# Altium PCB Main .PcbDoc (part 1 of 2)
Units mm, origin at the board's own origin, x right, y up, seen from the top; angles counter-clockwise.
Board outline 305 x 130 mm, 2 copper layers (Top Layer, Bottom Layer), stack 1.572 mm thick; 223 components, 123 nets, 632 pads, 180 vias.
Unrouted connection lines stored in the file: 1.
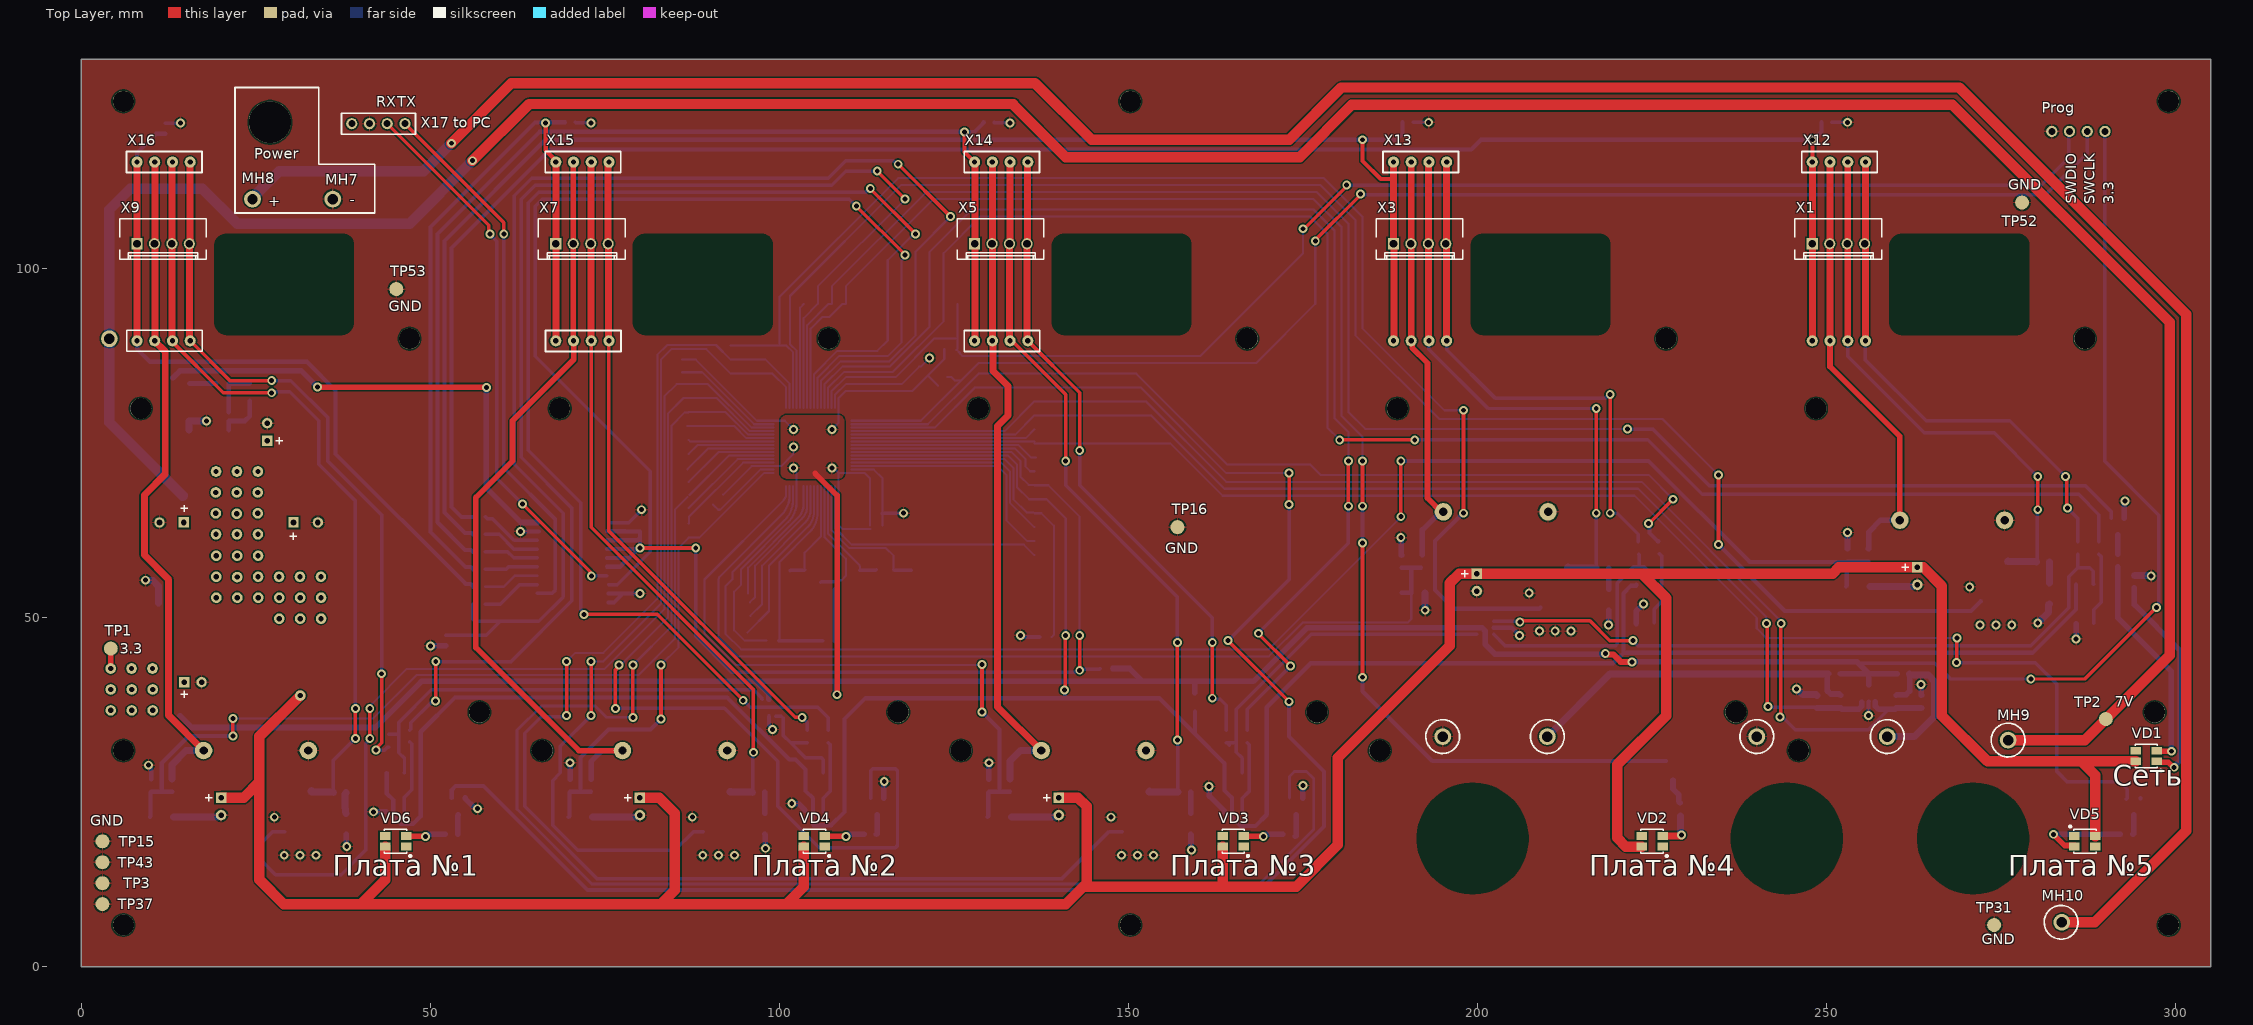
[diagram p0: Top Layer view]
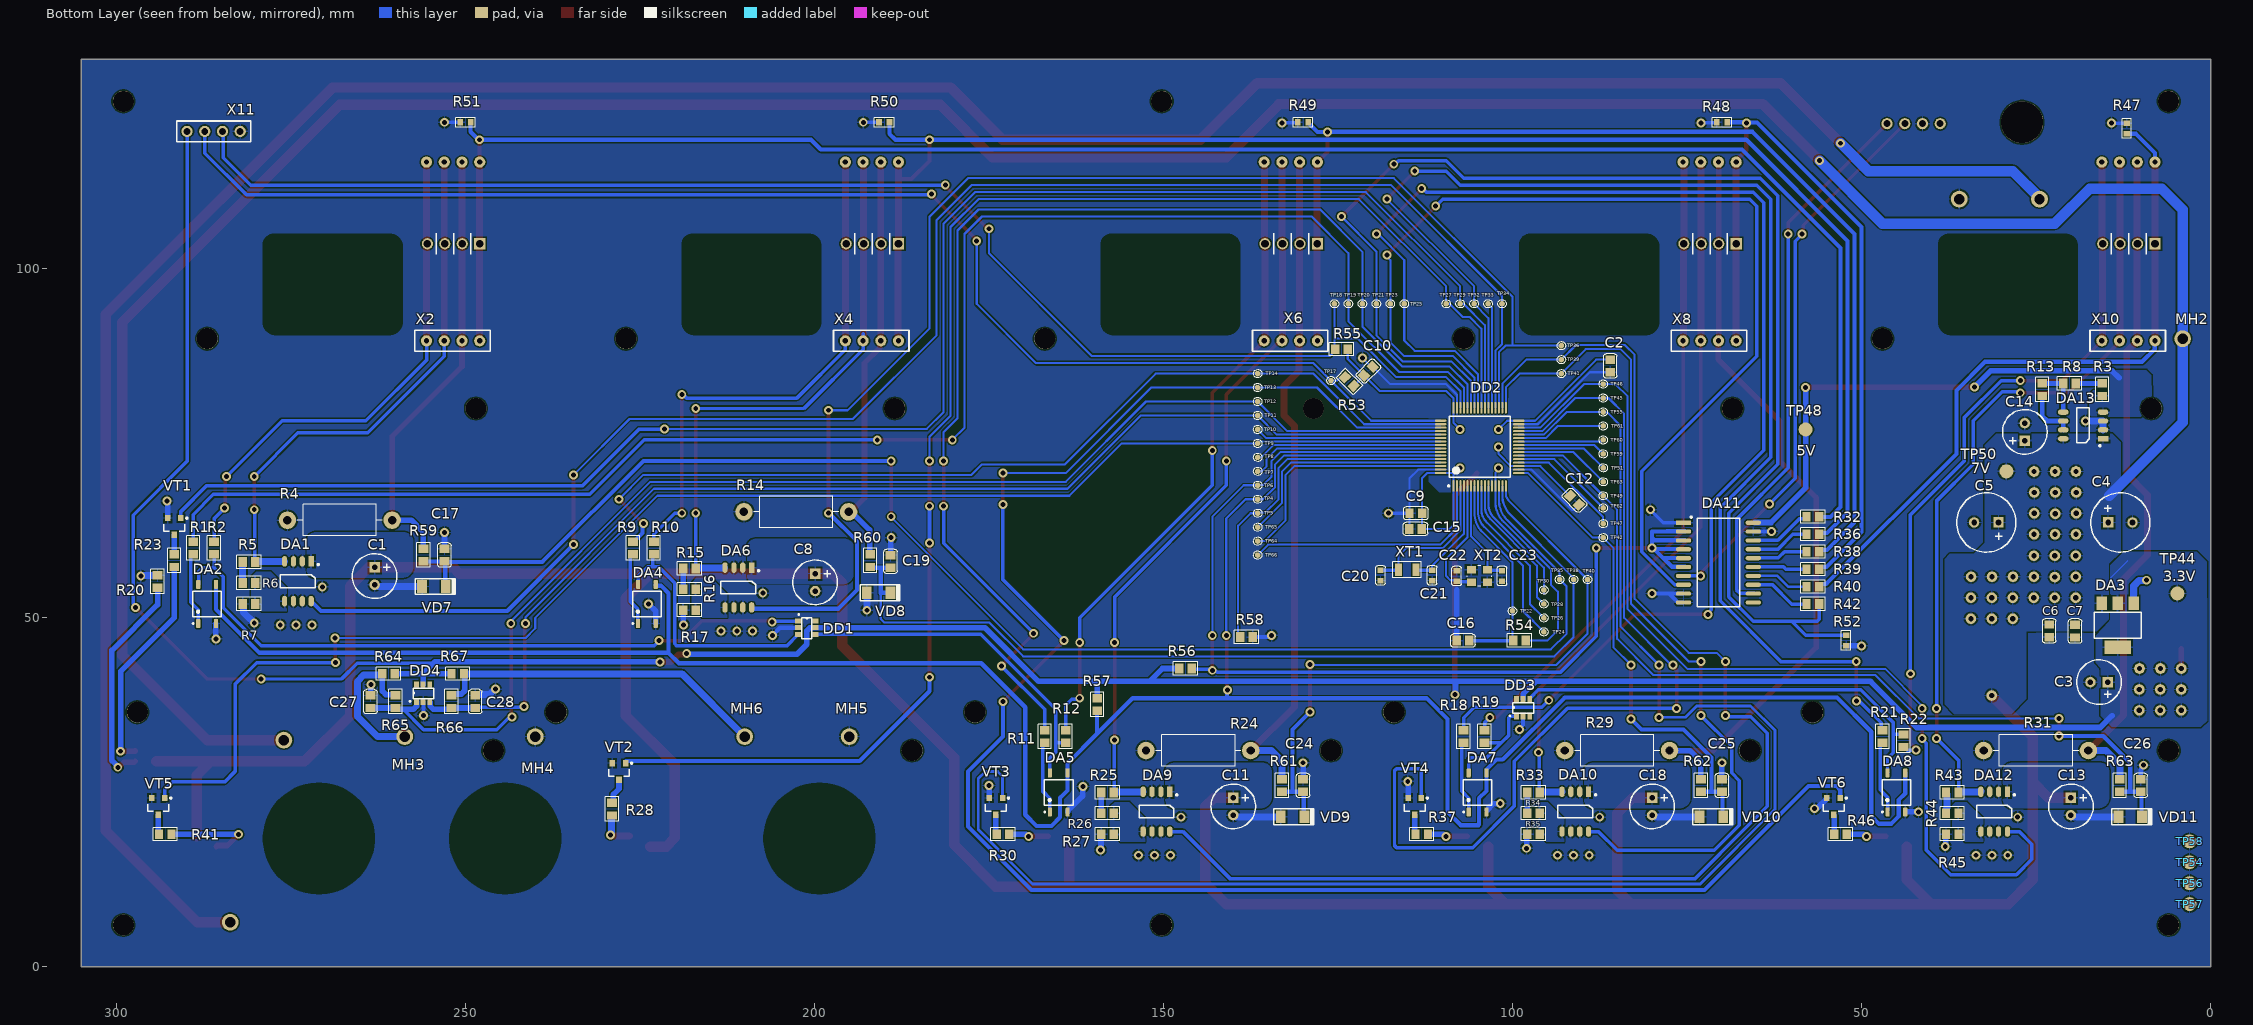
[diagram p1: Bottom Layer view, seen from below]
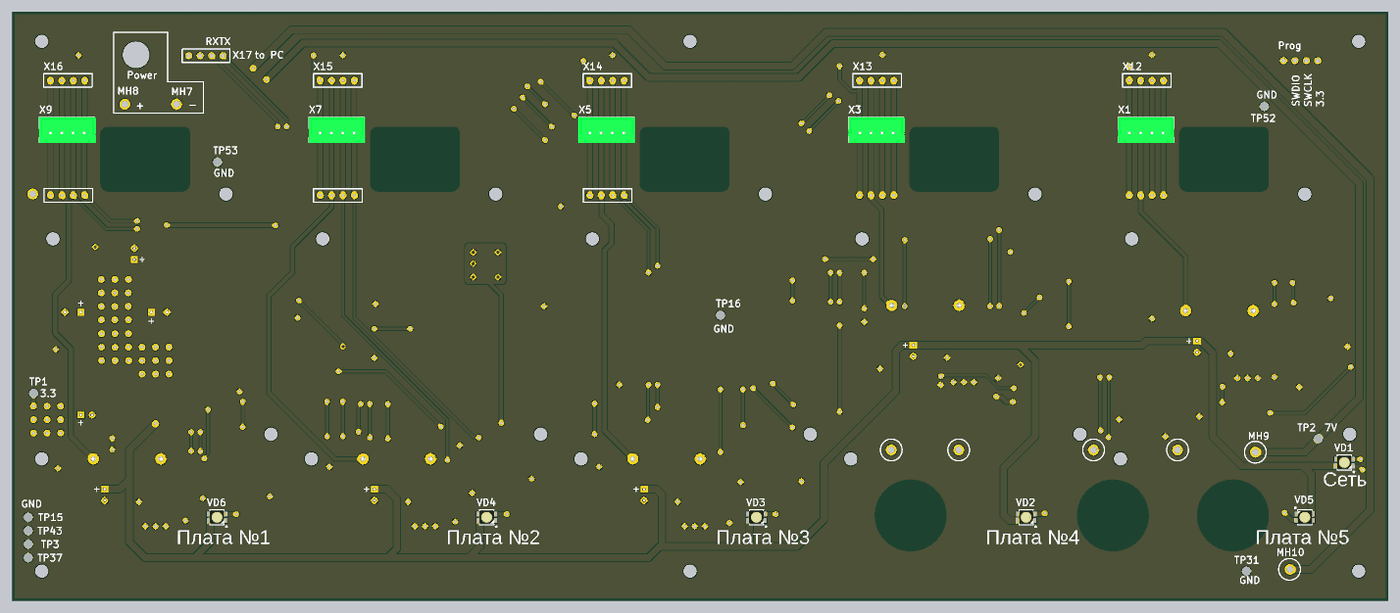
[diagram p3: 3D render of the assembled board from above, using the file's embedded part models]
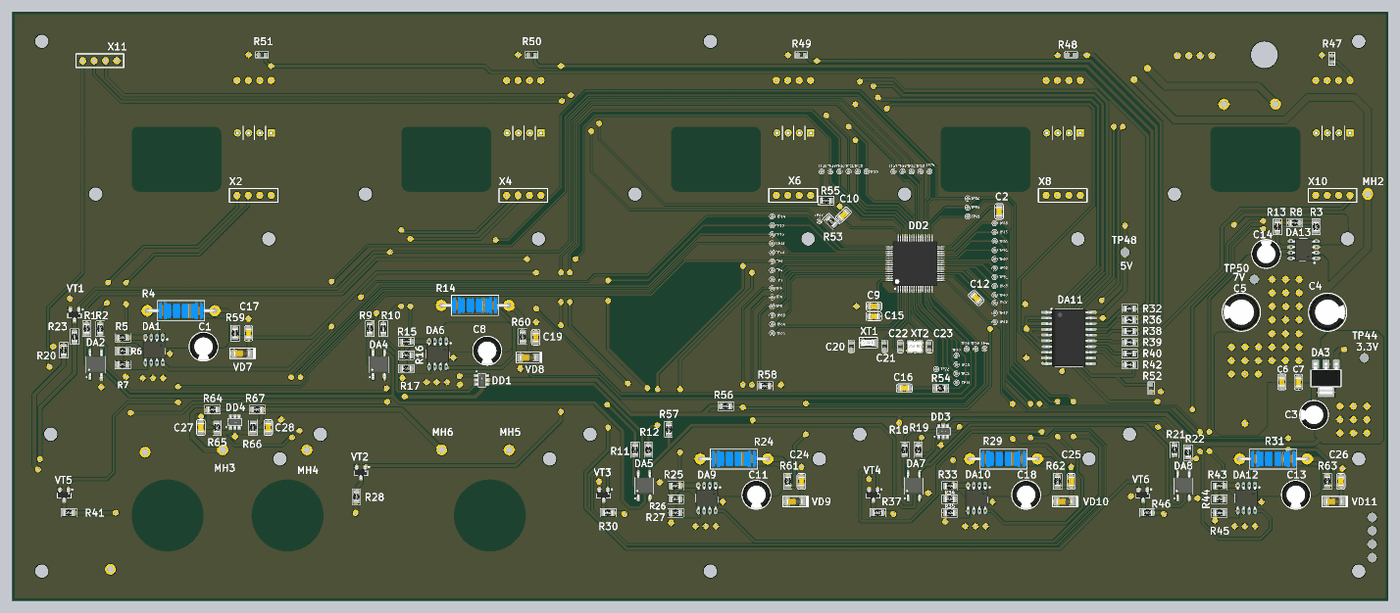
[diagram p4: 3D render of the assembled board from below, using the file's embedded part models]

## Layer stack, top to bottom
Top Solder: solder mask 0.01, Solder Resist, Dk 3.5
Top Layer: signal copper 0.036
Dielectric 1: dielectric 1.5, FR-4, Dk 4.8
Bottom Layer: signal copper 0.036
Bottom Solder: solder mask 0.01, Solder Resist, Dk 3.5

## Board outline
0,0 305,0 305,130 0,130

## Design rules (kind name [scope] priority, off if disabled: settings)
Clearance [All] p1: gap=0.2 ignorepadtopadclearanceinfootprint=FALSE except(0: Arc-Hole Track-Hole SMDPad-Hole THPad-Hole Via-Hole Fill-Hole Poly-Hole Region-Hole Text-Hole)
PolygonConnect [All] p1: connectstyle=Relief reliefconductorwidth=0.254 reliefentries=4 polygonreliefangle="90 Angle" airgapwidth=0.254
RoutingVias [All] p1: holewidth=0.711 width=1.27 viastyle="Through Hole" minholewidth=0.711 minwidth=1.27 maxholewidth=0.711 maxwidth=1.27
SolderMaskExpansion [All] p1: expansion=0.102 istentingtop=FALSE
Width [All] p1: maxlimit=5 minlimit=0.2 preferedwidth=0.5
30 further rules are at their usual default settings.

## Components (designator, comment, footprint, x,y, rotation, side; value= is the part's Value field where it differs from the comment)
C1 "Capacitor Polar" CAP_RADIAL_6.3x11 263,56 r0 bottom value=100uF
C2 "" SMD_0805_CAP 85.998,85.098 r90 bottom value=1uF
C3 "Capacitor Polar" CAP_RADIAL_6.3x11 15.95,40.8 r90 bottom value=100uF
C4 "Capacitor Polar" CAP_RADIAL_8x11.5 12.925,63.675 r180 bottom value=220uF
C5 "Capacitor Polar" CAP_RADIAL_8x11.5 32.125,63.675 r0 bottom value=220uF
C6 "" SMD_0805_CAP 23.098,47.148 r90 bottom value=1uF
C7 "" SMD_0805_CAP 19.398,47.098 r90 bottom value=1uF
C8 "Capacitor Polar" CAP_RADIAL_6.3x11 199.9,55.1 r0 bottom value=100uF
C9 "" SMD_0805_CAP 114.852,64.998 r180 bottom value=1uF
C10 "Capacitor" SMD_0805_CAP 119.929,86.073 r315 bottom value=100nF
C11 "Capacitor Polar" CAP_RADIAL_6.3x11 140,23 r0 bottom value=100uF
C12 "Capacitor" SMD_0805_CAP 90.404,66.156 r45 bottom value=100nF
C13 "Capacitor Polar" CAP_RADIAL_6.3x11 20,23 r0 bottom value=100uF
C14 "Capacitor Polar" CAP_RADIAL_6.3x11 26.6,76.65 r180 bottom value=100uF
C15 "Capacitor" SMD_0805_CAP 114.902,62.748 r180 bottom value=100nF
C16 "Capacitor" SMD_0805_CAP 108.102,46.748 r180 bottom value=100nF
C17 "Capacitor" SMD_0805_CAP 253,60 r270 bottom value=100nF
C18 "Capacitor Polar" CAP_RADIAL_6.3x11 80,23 r0 bottom value=100uF
C19 "Capacitor" SMD_0805_CAP 189.102,59.102 r270 bottom value=100nF
C20 "Capacitor" SMD_0603_CAP 118.9,56.1 r270 bottom value=10pF
C21 "Capacitor" SMD_0603_CAP 111.5,56.1 r270 bottom value=10pF
C22 "Capacitor" SMD_0603_CAP 108,56 r90 bottom value=10pF
C23 "Capacitor" SMD_0603_CAP 101.5,56 r270 bottom value=10pF
C24 "Capacitor" SMD_0805_CAP 130,27 r270 bottom value=100nF
C25 "Capacitor" SMD_0805_CAP 70,27 r270 bottom value=100nF
C26 "Capacitor" SMD_0805_CAP 10,27 r270 bottom value=100nF
C27 "Capacitor" SMD_0805_CAP 263.602,39.002 r270 bottom value=100nF
C28 "Capacitor" SMD_0805_CAP 248.598,36.998 r90 bottom value=100nF
DA1 "NCP5500DADJR2G" SOIC-8 274,55.25 r270 bottom
DA2 "CPC1035NTR" SOIC-4 287,52 r90 bottom
DA3 "LM1117MPX" SOT223 13.3,48.95 r0 bottom value=LM1117MPX-33
DA4 "CPC1035NTR" SOIC-4 224,52 r90 bottom
DA5 "CPC1035NTR" SOIC-4 165,25 r90 bottom
DA6 "NCP5500DADJR2G" SOIC-8 210.9,54.35 r270 bottom
DA7 "CPC1035NTR" SOIC-4 105,25 r90 bottom
DA8 "CPC1035NTR" SOIC-4 45,25 r90 bottom
DA9 "NCP5500DADJR2G" SOIC-8 151,22.25 r270 bottom
DA10 "NCP5500DADJR2G" SOIC-8 91,22.25 r270 bottom
DA11 "74HC540" SOIC-20W 75.5,63.64 r180 bottom
DA12 "NCP5500DADJR2G" SOIC-8 31,22.25 r270 bottom
DA13 "NCP5500DADJR2G" SOIC-8 18.25,77.575 r0 bottom
DD1 "CM1293A-04SO" SC-74-6 202.3,49.55 r180 bottom
DD2 "STM32F103RBT6" LQFP64 104.7,74.5 r90 bottom
DD3 "CM1293A-04SO" SC-74-6 99.425,35.925 r90 bottom
DD4 "CM1293A-04SO" SC-74-6 257,38 r90 bottom
MH2 "MouthingHole" MH_D1.5_H2.4 4,90 r180 bottom value=CANE1440-4000050PA
MH3 "MouthingHole" MH_D1.5_H2.4 258.7,33 r180 bottom value=CANE1440-4000050PA
MH4 "MouthingHole" MH_D1.5_H2.4 240,33 r180 bottom value=CANE1440-4000050PA
MH5 "MouthingHole" MH_D1.5_H2.4 195,33 r180 bottom value=CANE1440-4000050PA
MH6 "MouthingHole" MH_D1.5_H2.4 210,33 r180 bottom value=CANE1440-4000050PA
MH7 "MouthingHole" MH_D1.5_H2.4 36,110 r0 top value=CANE1440-4000050PA
MH8 "MouthingHole" MH_D1.5_H2.4 24.5,110 r0 top value=CANE1440-4000050PA
MH9 "MouthingHole" MH_D1.5_H2.4 276,32.5 r0 top value=CANE1440-4000050PA
MH10 "MouthingHole" MH_D1.5_H2.4 283.7,6.4 r90 top value=CANE1440-4000050PA
R1 "Resistor" SMD_0805_RES 289,61 r270 bottom value=330R
R2 "Resistor" SMD_0805_RES 286,59 r90 bottom value=510R
R3 "Resistor" SMD_0805_RES 15.498,81.698 r90 bottom value=2,71K
R4 "Resistor" RES_1W_HOR 268,64 r180 bottom value=1
R5 "Resistor" SMD_0805_RES 280,58 r0 bottom value=2,71K
R6 "Resistor" SMD_0805_RES 282,55 r180 bottom value=1K
R7 "Resistor" SMD_0805_RES 280,52 r0 bottom value=1,2K
R8 "Resistor" SMD_0805_RES 19.198,83.602 r0 bottom value=1K
R9 "Resistor" SMD_0805_RES 226,61 r270 bottom value=330R
R10 "Resistor" SMD_0805_RES 223,59 r90 bottom value=510R
R11 "Resistor" SMD_0805_RES 167,34 r270 bottom value=330R
R12 "Resistor" SMD_0805_RES 164,32 r90 bottom value=510R
R13 "Resistor" SMD_0805_RES 24.102,83.702 r270 bottom value=1,2K
R14 "Resistor" RES_1W_HOR 202.6,65.2 r180 bottom value=1
R15 "Resistor" SMD_0805_RES 216.9,57.1 r0 bottom value=2,71K
R16 "Resistor" SMD_0805_RES 218.9,54.1 r180 bottom value=1K
R17 "Resistor" SMD_0805_RES 216.9,51.1 r0 bottom value=1,2K
R18 "Resistor" SMD_0805_RES 107,34 r270 bottom value=330R
R19 "Resistor" SMD_0805_RES 104,32 r90 bottom value=510R
R20 "Resistor" SMD_0805_RES 294.102,56.202 r270 bottom value=4,7K
R21 "Resistor" SMD_0805_RES 47,34 r270 bottom value=330R
R22 "Resistor" SMD_0805_RES 44.002,33.402 r270 bottom value=510R
R23 "Resistor" SMD_0805_RES 291.702,59.202 r270 bottom value=2K
R24 "Resistor" RES_1W_HOR 145,31 r180 bottom value=1
R25 "Resistor" SMD_0805_RES 157,25 r0 bottom value=2,71K
R26 "Resistor" SMD_0805_RES 159,22 r180 bottom value=1K
R27 "Resistor" SMD_0805_RES 157,19 r0 bottom value=1,2K
R28 "Resistor" SMD_0805_RES 229.002,23.602 r270 bottom value=2K
R29 "Resistor" RES_1W_HOR 85,31 r180 bottom value=1
R30 "Resistor" SMD_0805_RES 174,19 r180 bottom value=2K
R31 "Resistor" RES_1W_HOR 25,31 r180 bottom value=1
R32 "Resistor" SMD_0805_RES 57.975,64.475 r180 bottom value=2K
R33 "Resistor" SMD_0805_RES 96,25 r0 bottom value=2,71K
R34 "Resistor" SMD_0805_RES 98,22 r180 bottom value=1K
R35 "Resistor" SMD_0805_RES 96,19 r0 bottom value=1,2K
R36 "Resistor" SMD_0805_RES 57.975,61.975 r180 bottom value=2K
R37 "Resistor" SMD_0805_RES 114,19 r180 bottom value=2K
R38 "Resistor" SMD_0805_RES 57.975,59.475 r180 bottom value=2K
R39 "Resistor" SMD_0805_RES 57.975,56.975 r180 bottom value=2K
R40 "Resistor" SMD_0805_RES 57.975,54.475 r180 bottom value=2K
R41 "Resistor" SMD_0805_RES 294,19 r180 bottom value=2K
R42 "Resistor" SMD_0805_RES 57.975,51.975 r180 bottom value=2K
R43 "Resistor" SMD_0805_RES 36,25 r0 bottom value=2,71K
R44 "Resistor" SMD_0805_RES 38,22 r180 bottom value=1K
R45 "Resistor" SMD_0805_RES 36,19 r0 bottom value=1,2K
R46 "Resistor" SMD_0805_RES 54,19 r180 bottom value=2K
R47 "Resistor" SMD_0603_RES 12,120.1 r90 bottom value=3,3K
R48 "Resistor" SMD_0603_RES 70,121 r0 bottom value=3,3K
R49 "Resistor" SMD_0603_RES 130,121 r0 bottom value=3,3K
R50 "Resistor" SMD_0603_RES 190,121 r0 bottom value=3,3K
R51 "Resistor" SMD_0603_RES 250,121 r0 bottom value=3,3K
R52 "Resistor" SMD_0603_RES 52.2,46.75 r270 bottom value=3,3K
R53 "Resistor" SMD_0805_RES 124.073,84.571 r225 bottom value=8,2K
R54 "Resistor" SMD_0805_RES 100,46.75 r180 bottom value=8,2K
R55 "Resistor" SMD_0805_RES 125.5,88.5 r180 bottom value=8,2K
R56 "Resistor" SMD_0805_RES 145.848,42.752 r0 bottom value=4,7K
R57 "Resistor" SMD_0805_RES 159.498,36.598 r90 bottom value=4,7K
R58 "Resistor" SMD_0805_RES 139.102,47.248 r180 bottom value=10K
R59 "Resistor" SMD_0805_RES 256,58 r90 bottom value=1K
R60 "Resistor" SMD_0805_RES 191.998,57.198 r90 bottom value=1K
R61 "Resistor" SMD_0805_RES 133,25 r90 bottom value=1K
R62 "Resistor" SMD_0805_RES 73,25 r90 bottom value=1K
R63 "Resistor" SMD_0805_RES 13,25 r90 bottom value=1K
R64 "Resistor" SMD_0805_RES 260,42 r0 bottom value=4,7K
R65 "Resistor" SMD_0805_RES 260,37 r90 bottom value=1K
R66 "Resistor" SMD_0805_RES 252,37 r90 bottom value=1K
R67 "Resistor" SMD_0805_RES 252.1,42 r180 bottom value=4,7K
TP1 "TestPoint" Pointtest 4.2,45.6 r0 top
TP2 "TestPoint" Pointtest 290,35.5 r0 top
TP3 "TestPoint" Pointtest 3,12 r0 top
TP4 "TestPoint" TP_SMD_D_0.8MM 136.5,67 r90 bottom
TP5 "TestPoint" TP_SMD_D_0.8MM 136.5,65 r90 bottom
TP6 "TestPoint" TP_SMD_D_0.8MM 136.5,69 r90 bottom
TP7 "TestPoint" TP_SMD_D_0.8MM 136.5,71 r90 bottom
TP8 "TestPoint" TP_SMD_D_0.8MM 136.5,73 r90 bottom
TP9 "TestPoint" TP_SMD_D_0.8MM 136.5,75 r90 bottom
TP10 "TestPoint" TP_SMD_D_0.8MM 136.5,77 r90 bottom
TP11 "TestPoint" TP_SMD_D_0.8MM 136.5,79 r90 bottom
TP12 "TestPoint" TP_SMD_D_0.8MM 136.5,81 r90 bottom
TP13 "TestPoint" TP_SMD_D_0.8MM 136.5,83 r90 bottom
TP14 "TestPoint" TP_SMD_D_0.8MM 136.5,85 r90 bottom
TP15 "TestPoint" Pointtest 3,18 r90 top
TP16 "TestPoint" Pointtest 157,63 r90 top
TP17 "TestPoint" TP_SMD_D_0.8MM 126,84 r90 bottom
TP18 "TestPoint" TP_SMD_D_0.8MM 125.5,95 r90 bottom
TP19 "TestPoint" TP_SMD_D_0.8MM 123.5,95 r90 bottom
TP20 "TestPoint" TP_SMD_D_0.8MM 121.5,95 r90 bottom
TP21 "TestPoint" TP_SMD_D_0.8MM 119.5,95 r90 bottom
TP22 "TestPoint" TP_SMD_D_0.8MM 100,51 r90 bottom
TP23 "TestPoint" TP_SMD_D_0.8MM 117.5,95 r90 bottom
TP24 "TestPoint" TP_SMD_D_0.8MM 95.5,48 r90 bottom
TP25 "TestPoint" TP_SMD_D_0.8MM 115.5,95 r90 bottom
TP26 "TestPoint" TP_SMD_D_0.8MM 95.5,50 r90 bottom
TP27 "TestPoint" TP_SMD_D_0.8MM 109.5,95 r90 bottom
TP28 "TestPoint" TP_SMD_D_0.8MM 95.5,52 r90 bottom
TP29 "TestPoint" TP_SMD_D_0.8MM 107.5,95 r90 bottom
TP30 "TestPoint" TP_SMD_D_0.8MM 95.5,54 r90 bottom
TP31 "TestPoint" Pointtest 274,6 r90 top
TP32 "TestPoint" TP_SMD_D_0.8MM 105.5,95 r90 bottom
TP33 "TestPoint" TP_SMD_D_0.8MM 103.5,95 r90 bottom
TP34 "TestPoint" TP_SMD_D_0.8MM 101.5,95 r90 bottom
TP35 "TestPoint" TP_SMD_D_0.8MM 93.25,55.5 r90 bottom
TP36 "TestPoint" TP_SMD_D_0.8MM 93,89 r90 bottom
TP37 "TestPoint" Pointtest 3,9 r90 top
TP38 "TestPoint" TP_SMD_D_0.8MM 91.25,55.5 r90 bottom
TP39 "TestPoint" TP_SMD_D_0.8MM 93,87 r90 bottom
TP40 "TestPoint" TP_SMD_D_0.8MM 89.25,55.5 r90 bottom
TP41 "TestPoint" TP_SMD_D_0.8MM 93,85 r90 bottom
TP42 "TestPoint" TP_SMD_D_0.8MM 87,61.5 r90 bottom
TP43 "TestPoint" Pointtest 3,15 r90 top
TP44 "TestPoint" Pointtest 4.75,53.5 r90 bottom
TP45 "TestPoint" TP_SMD_D_0.8MM 87,81.5 r90 bottom
TP46 "TestPoint" TP_SMD_D_0.8MM 87,83.5 r90 bottom
TP47 "TestPoint" TP_SMD_D_0.8MM 87,63.5 r90 bottom
TP48 "TestPoint" Pointtest 58,77 r90 bottom
TP49 "TestPoint" TP_SMD_D_0.8MM 87,67.5 r90 bottom
TP50 "TestPoint" Pointtest 29.25,71 r90 bottom
TP51 "TestPoint" TP_SMD_D_0.8MM 87,71.5 r90 bottom
TP52 "TestPoint" Pointtest 278,109.5 r0 top
TP53 "TestPoint" Pointtest 45.1,97.1 r90 top
TP54 "TestPoint" Pointtest 3,15 r90 bottom
TP55 "TestPoint" TP_SMD_D_0.8MM 87,79.5 r90 bottom
TP56 "TestPoint" Pointtest 3,12 r90 bottom
TP57 "TestPoint" Pointtest 3,9 r90 bottom
TP58 "TestPoint" Pointtest 3,18 r90 bottom
TP59 "TestPoint" TP_SMD_D_0.8MM 87,73.5 r90 bottom
TP60 "TestPoint" TP_SMD_D_0.8MM 87,75.5 r90 bottom
TP61 "TestPoint" TP_SMD_D_0.8MM 87,77.5 r90 bottom
TP62 "TestPoint" TP_SMD_D_0.8MM 87,65.75 r90 bottom
TP63 "TestPoint" TP_SMD_D_0.8MM 87,69.5 r90 bottom
TP64 "TestPoint" TP_SMD_D_0.8MM 136.5,61 r90 bottom
TP65 "TestPoint" TP_SMD_D_0.8MM 136.5,63 r90 bottom